# Altium PCB max268.PcbDoc
Units mil, origin at the board's own origin, x right, y up, seen from the top; angles counter-clockwise.
Board outline 2551 x 2023 mil, 2 copper layers (Top Layer, Bottom Layer); 80 components, 55 nets, 322 pads, 105 vias.
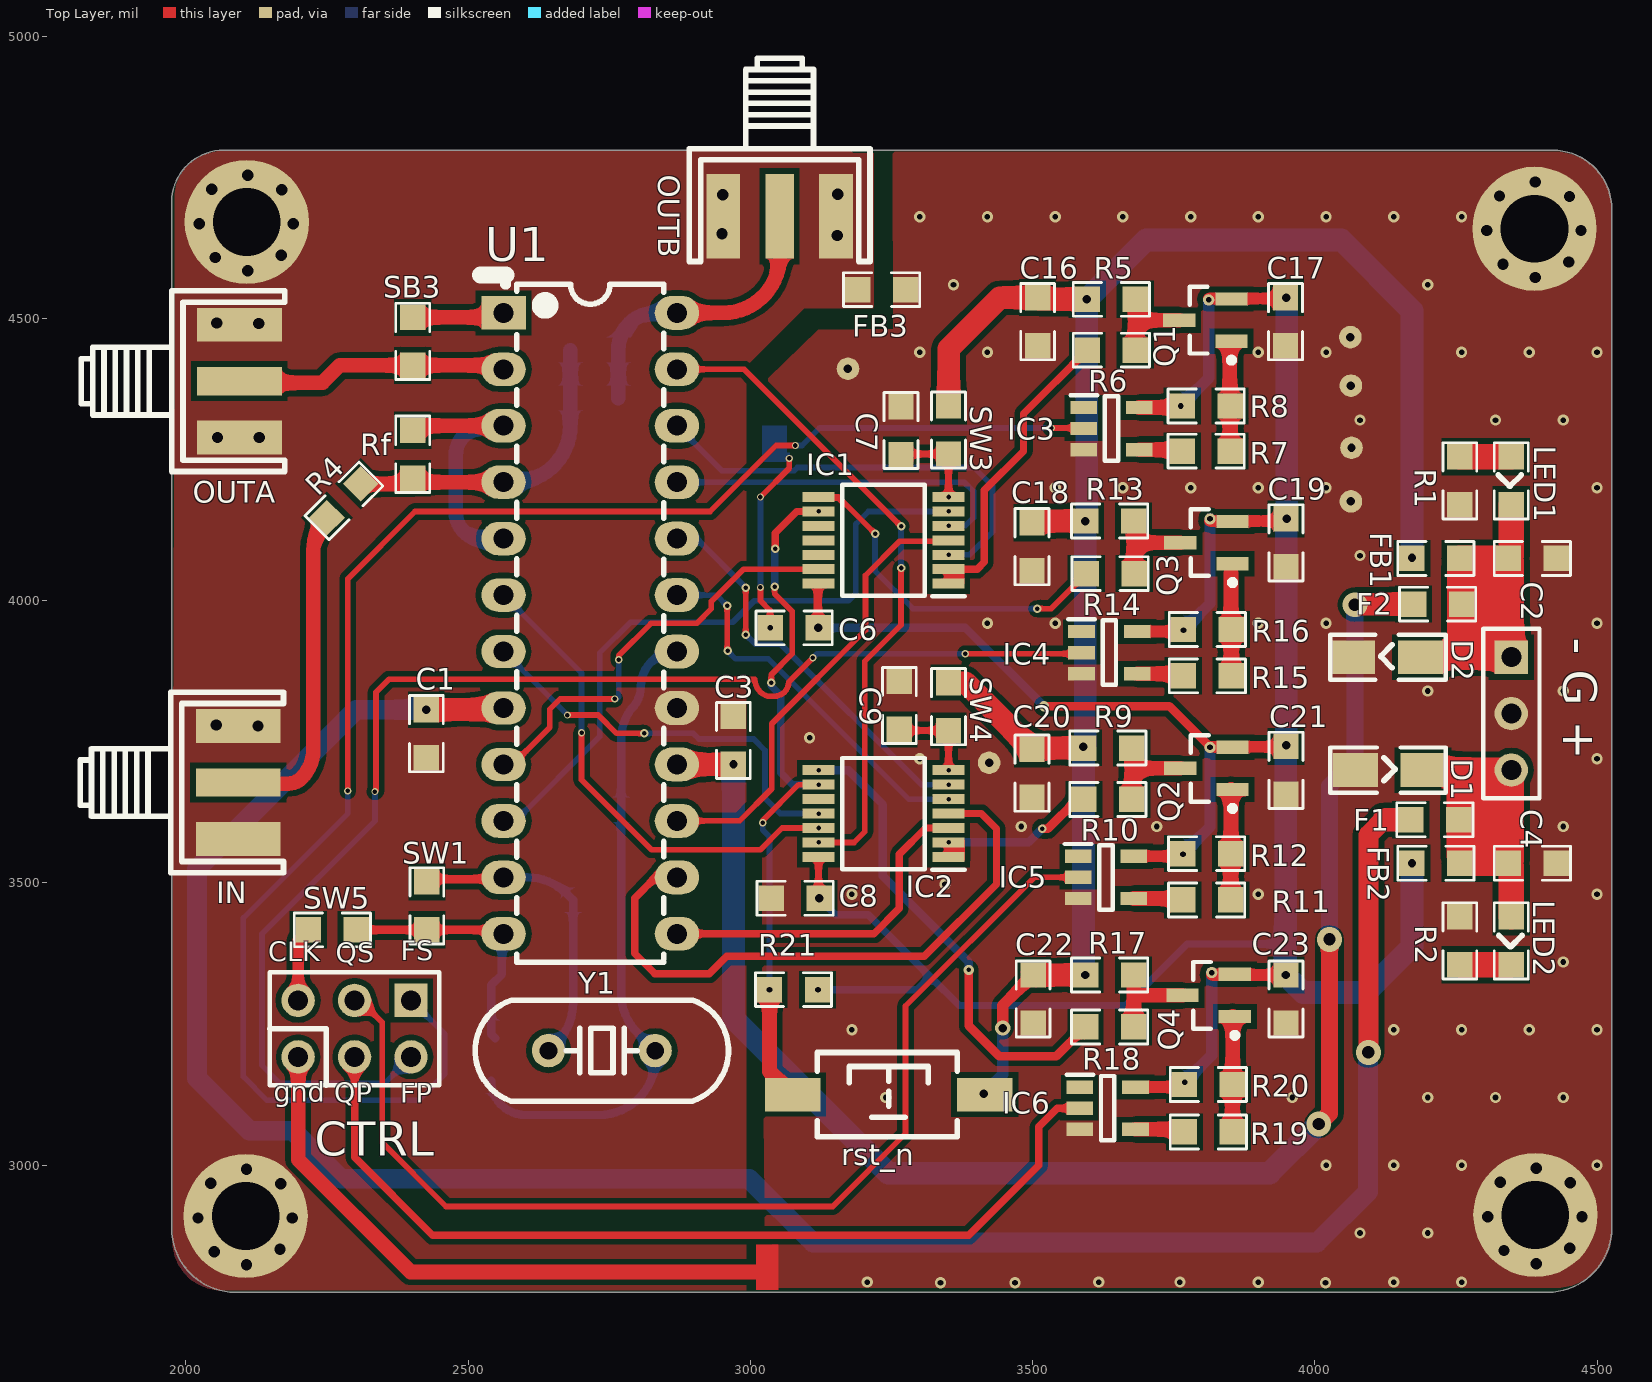
[diagram p0: Top Layer view]
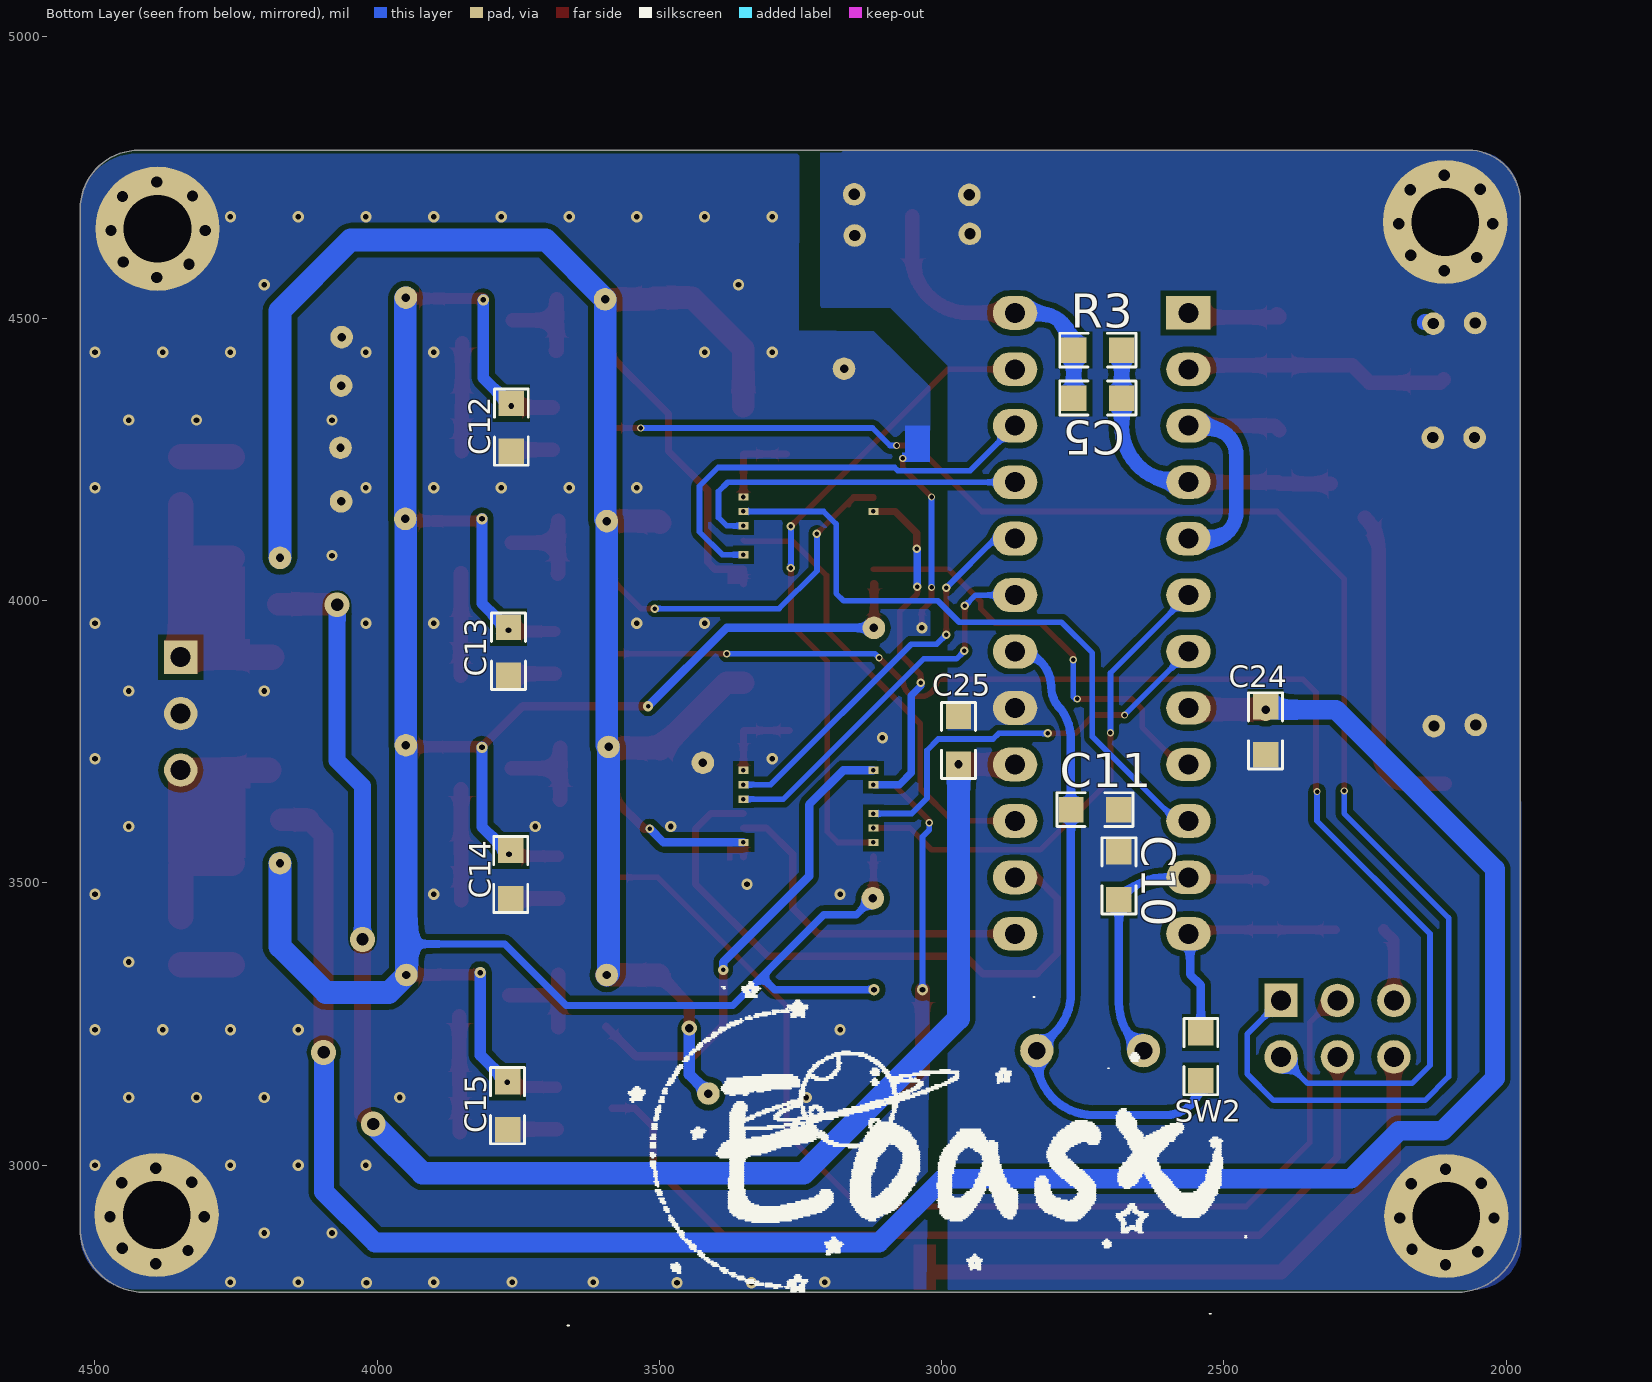
[diagram p1: Bottom Layer view, seen from below]

## Layer stack, top to bottom
Top Solder: solder mask 0.4, Solder Resist, Dk 3.5
Top Layer: signal copper 1.4
Dielectric 1: dielectric 12.6, FR-4, Dk 4.8
Bottom Layer: signal copper 1.4
Bottom Solder: solder mask 0.4, Solder Resist, Dk 3.5

## Board outline
2087.67,2775 cw(c2087.67,2887.67) 1975,2887.67 1975,4706.47 cw(c2066.53,4706.47) 2066.53,4798 4422.01,4798 cw(c4422.01,4694.01) 4526,4694.01 4526,2888.47 cw(c4412.53,2888.47) 4412.53,2775

## Design rules (kind name [scope] priority, off if disabled: settings)
Clearance [All] p1: gap=10 ignorepadtopadclearanceinfootprint=FALSE except(0: Arc-Hole Track-Hole SMDPad-Hole THPad-Hole Via-Via Via-Fill Via-Poly Via-Region Via-Text Via-Hole Fill-Hole Poly-Hole Region-Hole Text-Hole; 6: SMDPad-SMDPad)
PlaneConnect [All] p1: planeconnectstyle=Direct reliefexpansion=20 reliefentries=4 reliefconductorwidth=10 reliefairgap=10
PolygonConnect [All] p1: connectstyle=Direct reliefconductorwidth=10 reliefentries=4 polygonreliefangle="90 Angle" airgapwidth=10
RoutingVias [All] p1: holewidth=28 width=50 viastyle="Through Hole" minholewidth=2 minwidth=10 maxholewidth=28 maxwidth=50
SolderMaskExpansion [All] p1: expansion=4
Width [All] p1: maxlimit=50 minlimit=10 preferedwidth=10
29 further rules are at their usual default settings.

## Classes and differential pairs
component class MAX268: "- G +" C2 C3 C4 C5 C6 C7 C8 C9 C10 C11 C12 C13 C14 C15 C16 C17 C18 C19 C20 C21 C22 C23 D1 D2 F1 F2 FB1 FB2 FB3 IC1 IC2 IC3 IC4 IC5 IC6 IN LED1 LED2 OUTA OUTB Q1 Q2 Q3 Q4 R1 R2 R3 R5 R6 R7 R8 R9 R10 R11 R12 R13 R14 R15 R16 R17 R18 R19 R20 R21 rst_n SW3 SW4 Y1

## Components (designator, comment, footprint, x,y, rotation, side; value= is the part's Value field where it differs from the comment)
"- G +" "POWER" HDR1X3 4348,3900 r270 top (schematic designator P1)
C1 "0.1u" 0805D 2426,3727 r90 top
C2 "10u" 0805D 4348,4075 r0 top
C3 "0.1u" 0805D 2970,3790 r270 top
C4 "10u" 0805D 4348,3535 r0 top
C5 "2.5p" 0805D 2686,4359 r0 bottom
C6 "0.1u" 0805D 3115,3952 r180 top
C7 "0.1u" 0805D 3267,4264 r90 top
C8 "0.1u" 0805D 3117,3473 r180 top
C9 "0.1u" 0805D 3264,3777 r90 top
C10 "12p" 0805D 2686,3550 r270 bottom
C11 "12p" 0805D 2691,3630 r0 bottom
C12 "0.1u" 0805D 3762.4,4345 r270 bottom
C13 "0.1u" 0805D 3767.4,3948 r270 bottom
C14 "0.1u" 0805D 3763.4,3552.6 r270 bottom
C15 "0.1u" 0805D 3769,3143 r270 bottom
C16 "0.1u" 0805D 3509,4532 r270 top
C17 "0.1u" 0805D 3948,4532 r270 top
C18 "0.1u" 0805D 3499,4133.18 r270 top
C19 "0.1u" 0805D 3949,4140 r270 top
C20 "0.1u" 0805D 3499,3732 r270 top
C21 "0.1u" 0805D 3949,3737 r270 top
C22 "0.1u" 0805D 3501,3332 r270 top
C23 "0.1u" 0805D 3949,3332 r270 top
C24 "0.1u" 0805D 2426.19,3807 r270 bottom (schematic designator C6)
C25 "0.1u" 0805D 2970.19,3715 r90 bottom (schematic designator C6)
CTRL "Ctrl_FROM_MCU/FPGA" HDR2X3 2399,3292 r180 top (schematic designator P2)
D1 "DIODE" 1206A 4052,3700 r0 top
D2 "DIODE" 1206A 4207,3900 r180 top
F1 "Fuse 2" 0805D 4250,3612 r180 top
F2 "Fuse 2" 0805D 4180,3994 r0 top
FB1 "Inductor" 0805D 4177,4075 r0 top value=47uH
FB2 "Inductor" 0805D 4252,3535 r180 top value=47uH
FB3 "Inductor" 0805D 3270,4551 r180 top value=47uH
IC1 "MC74HC164ADTR2G" SOP65P640X120-14N 3236,4107 r180 top
IC2 "MC74HC164ADTR2G" SOP65P640X120-14N 3236,3623 r180 top
IC3 "SN74LV1T04DBVR" SOT95P280X145-5N 3640,4305 r0 top
IC4 "SN74LV1T04DBVR" SOT95P280X145-5N 3636,3908 r0 top
IC5 "SN74LV1T04DBVR" SOT95P280X145-5N 3630,3510 r0 top
IC6 "SN74LV1T04DBVR" SOT95P280X145-5N 3633,3101 r0 top
IN "SMA" SMA1 2093,3778 r0 top
LED1 "" 0805D 4348,4250 r270 top
LED2 "" 0805D 4348,3435 r270 top
OUTA "SMA" SMA1 2095,4489 r0 top
OUTB "SMA" SMA1 3152,4681 r270 top
Q1 "PNP" SOT-23B_M 3806,4497 r180 top
Q2 "PNP" SOT-23B_M 3808,3703 r180 top
Q3 "PNP" SOT-23B_M 3808,4103 r180 top
Q4 "PNP" SOT-23B_M 3812,3301 r180 top
R1 "Res3" 0805D 4257,4175 r90 top value=1k
R2 "Res3" 0805D 4257,3435 r270 top value=1k
R3 "Res3" 0805D 2761,4444 r180 bottom value=131k
R4 "Res3" 0805D 2306.57,4203.57 r225 top value=75k
R5 "Res3" 0805D 3602,4534 r0 top value=500
R6 "Res3" 0805D 3677,4444 r180 top value=500
R7 "Res3" 0805D 3845,4265 r180 top value=10k
R8 "Res3" 0805D 3845,4345 r180 top value=4.7k
R9 "Res3" 0805D 3595.79,3739 r0 top value=500
R10 "Res3" 0805D 3671,3648 r180 top value=500
R11 "Res3" 0805D 3846,3470 r180 top value=10k
R12 "Res3" 0805D 3846,3552 r180 top value=4.7k
R13 "Res3" 0805D 3599,4141.26 r0 top value=500
R14 "Res3" 0805D 3675,4048 r180 top value=500
R15 "Res3" 0805D 3847,3867 r180 top value=10k
R16 "Res3" 0805D 3847,3949 r180 top value=4.7k
R17 "Res3" 0805D 3599,3337 r0 top value=500
R18 "Res3" 0805D 3674,3245 r180 top value=500
R19 "Res3" 0805D 3849,3059 r180 top value=10k
R20 "Res3" 0805D 3849,3143 r180 top value=4.7k
R21 "Res3" 0805D 3114,3311 r180 top value=1k
Rf "Res3" 0805D 2402,4297 r270 top value=10k
rst_n "3x6x5" "TSW SMD-3*6*5" 3245,3125 r0 top
SB3 "Res3" 0805D 2402,4422 r90 top value=0
SW1 "Res3" 0805D 2427,3497 r270 top value=0
SW2 "Res3" 0805D 2541,3155 r90 bottom value=0
SW3 "Res3" 0805D 3351.16,4340 r270 top value=0
SW4 "Res3" 0805D 3351.16,3850 r270 top value=0
SW5 "Res3" 0805D 2297,3417 r180 top value=0
U1 "Comment" PDIP-24 2716.45,3960 r270 top
Y1 "XTAL" "XTAL-49S DIP" 2737,3203 r0 top

## Footprints (in the part's own frame and the unit in brackets; to place one, negate y for a bottom-side part, rotate by r counter-clockwise, add the part's x,y. Pads: shape width x height; smd on the part's side, far side on the other; paste and mask are expansions set on the pad)
0805D [mil]
  rect 45x45 smd: 1(-5,0) 2(80,0)
  silkscreen extent -30,-30 105,30
1206A [mil]
  rect 80x60 smd: 1(20,0) 2(140,0)
  silkscreen extent -25,-40 180,40
HDR1X3 [mm] "Connector; Header; 3 Position"
  rect 1.5x1.5 hole 0.9: 1(0,0)
  round 1.5 hole 0.9: 2(2.54,0) 3(5.08,0)
  silkscreen extent -1.27,-1.27 6.35,1.27
HDR2X3 [mm] "Connector; Header; 3x2 Position"
  rect 1.5x1.5 hole 0.9: 1(0,0)
  round 1.5 hole 0.9: 2(0,2.54) 3(2.54,0) 4(2.54,2.54) 5(5.08,0) 6(5.08,2.54)
  silkscreen extent -1.27,-1.27 6.35,3.81
PDIP-24 [mm]
  rect 1.5x2 hole 0.9: 1(-13.97,-3.9)
  oval 1.5x2 hole 0.9: 2(-11.43,-3.9) 3(-8.89,-3.9) 4(-6.35,-3.9) 5(-3.81,-3.9) 6(-1.27,-3.9) 7(1.27,-3.9) 8(3.81,-3.9) 9(6.35,-3.9) 11(11.43,-3.9)
  oval 1.524x2 hole 0.9: 10(8.89,-3.9) 12(13.97,-3.9) 13(13.97,3.9) 14(11.43,3.9) 15(8.89,3.9) 16(6.35,3.9) 17(3.81,3.9) 18(1.27,3.9) 19(-1.27,3.9) 20(-3.81,3.9) 21(-6.35,3.9) 22(-8.89,3.9) 23(-11.43,3.9) 24(-13.97,3.9)
  silkscreen extent -15.39,-3.93 15.25,3.3
SMA1 [mil]
  rect 150x50 smd: 1(0,-100)
  rect 150x60 smd: 2(0,-200) 2(0,0)
  silkscreen extent -280,-260 80,60
SOP65P640X120-14N [mm]
  rect 1.45x0.45 smd: 1(-2.925,1.95) 2(-2.925,1.3) 3(-2.925,0.65) 4(-2.925,0) 5(-2.925,-0.65) 6(-2.925,-1.3) 7(-2.925,-1.95) 8(2.925,-1.95) 9(2.925,-1.3) 10(2.925,-0.65) 11(2.925,0) 12(2.925,0.65) 13(2.925,1.3) 14(2.925,1.95)
  silkscreen extent -3.65,-2.5 1.85,2.52, body extent -3.2,-2.5 3.2,2.5, height 1.2
SOT95P280X145-5N [mm]
  rect 1.2x0.6 smd: 1(-1.25,0.95) 2(-1.25,0) 3(-1.25,-0.95) 4(1.25,-0.95) 5(1.25,0.95)
  silkscreen extent -1.85,-1.45 0.3,1.5, body extent -1.4,-1.45 1.4,1.45, height 1.2
SOT-23B_M [mm] "SOT23, 3-Leads, Body 2.9x1.3mm, Pitch 0.95mm, Lead Span 2.4mm, IPC Low Density"
  rect 1.45x0.6 smd: 1(-1.175,0.95) 2(-1.175,-0.95) 3(1.175,0)
  silkscreen extent -1.3,-1.5 0.7,1.92, body extent -0.7,-1.5 0.7,1.5, height 1.14
"TSW SMD-3*6*5" [mm] "3*6*5mm"
  rect 2.5x1.5 smd: 1(-4.318,0) 2(4.318,0)
  silkscreen extent -3.21,-1.9 3.09,1.9, body extent -4.6,-1.75 4.6,1.75, height 5.1
"XTAL-49S DIP" [mm]
  round 1.5 hole 0.8: 1(-2.4,0) 2(2.4,0)
  silkscreen extent -5.7,-2.28 5.7,2.28, body extent -5.68,-2.35 5.68,2.3, height 3.5

## Part data
"- G +": library part "Header 3", "Header, 3-Pin", LatestRevisionDate=17-Jul-2002, LatestRevisionNote="Re-released for DXP Platform.", Publisher="Altium Limited"
C1 C2 C3 C4 C5 C6 C7 C8 C9 C10 C11 C12 C13 C14 C15 C16 C17 C18 C19 C20 C21 C22 C23 C24 C25: library part CAP_T
CTRL: library part "Header 3X2", "Header, 3-Pin, Dual row", LatestRevisionDate=17-Jul-2002, LatestRevisionNote="Re-released for DXP Platform.", Publisher="Altium Limited"
F1 F2: "Fuse", LatestRevisionDate=17-Jul-2002, LatestRevisionNote="Re-released for DXP Platform.", PackageDescription="Thru-Hole; 2 Leads", PackageReference=PIN-W2/E2.8, Published=8-Jun-2000, Publisher="Altium Limited"
IC1 IC2: "Integrated Circuit", Manufacturer_Name="ON Semiconductor", Mouser Part Number=863-MC74HC164ADTR2G, Arrow Part Number=MC74HC164ADTR2G, Arrow Price/Stock=https://www.arrow.com/en/products/mc74hc164adtr2g/on-semiconductor, Datasheet Link=http://www.onsemi.com/pub/Collateral/MC74HC164A-D.PDF, Height=1.2mm, Manufacturer_Part_Number=MC74HC164ADTR2G, Mouser Price/Stock=https://www.mouser.co.uk/ProductDetail/ON-Semiconductor/MC74HC164ADTR2G?qs=qg33o%252B8vzFo2YIOUdQuHFw%3D%3D
IC3 IC4 IC5 IC6: "Integrated Circuit", Manufacturer_Name="Texas Instruments", Mouser Part Number=595-SN74LV1T04DBVR, Arrow Part Number=SN74LV1T04DBVR, Arrow Price/Stock=https://www.arrow.com/en/products/sn74lv1t04dbvr/texas-instruments, Datasheet Link=http://www.ti.com/lit/gpn/sn74lv1t04, Height=1.45mm, Manufacturer_Part_Number=SN74LV1T04DBVR, Mouser Price/Stock=https://www.mouser.co.uk/ProductDetail/Texas-Instruments/SN74LV1T04DBVR?qs=igp4D3uu33KtAfuFlk2jSg%3D%3D
IN OUTA OUTB: library part BNC, "BNC Elbow Connector", LatestRevisionDate=17-Jul-2002, LatestRevisionNote="Re-released for DXP Platform.", Publisher="Altium Limited"
LED1 LED2: library part LED-SMD, "贴片LED"
Q1 Q2 Q3 Q4: "PNP Bipolar Transistor", LatestRevisionDate=29-May-2009, LatestRevisionNote="IPC-7351 Footprint Added.", PackageDescription="3-Pin SOT-23 Package 0.95 mm Pitch, 2.4 mm Lead Span", PackageReference=SOT-23B, PackageVersion=Aug-1999, Published=8-Jun-2000, Publisher="Altium Limited"
R1 R2 R3 R4 R5 R6 R7 R8 R9 R10 R11 R12 R13 R14 R15 R16 R17 R18 R19 R20 R21 Rf SB3 SW1 SW2 SW3 SW4 SW5: "Resistor", LatestRevisionDate=29-May-2009, LatestRevisionNote="IPC-7351 Footprint Added.", PackageDescription="Chip Resistor", PackageReference=J1-0603, Published=8-Jun-2000, Publisher="Altium Limited"
rst_n: library part "TSW 3x6", "3x6轻触开关"
Y1: "Crystal Oscillator", LatestRevisionDate=17-Jul-2002, LatestRevisionNote="Re-released for DXP Platform.", PackageDescription="Crystal, Thru-Hole; 2 Leads; Body 3.1 x 8.2 mm (Dia.xH)", PackageReference=R38, Published=8-Jun-2000, Publisher="Altium Limited"
FB1 FB2 FB3: Code_IEC=1005, Code_JEITA=0402, LatestRevisionDate=29-May-2009, LatestRevisionNote="IPC-7351 Footprint Added.", PackageDescription="Chip Inductor", PackageReference=0402-A, Published=8-Jun-2000, Publisher="Altium Limited"

## Free pads (board coordinates)
  round 220 hole 120: 0(2106,2910) 0(2108,4671) 0(4389,4659) 0(4390.67,2912)
  round 40 hole 20: 8(2021.67,2906.72) 8(2023.67,4667.72) 8(2044,2968) 8(2046,4729) 8(2050.31,2847) 8(2052.31,4608) 8(2054,3780) 8(2055,4492) 8(2056,4289) 8(2107.67,2823.72) 8(2107.67,2992.72) 8(2109.67,4584.72) 8(2109.67,4753.72) 8(2128,3778) 8(2129,4491) 8(2130,4289) 8(2167,2851) 8(2168,2967) 8(2169,4612) 8(2170,4728) 8(2188.56,2906.72) 8(2190.56,4667.72) 8(2950,4650) 8(2951,4719) 8(3154,4647) 8(3155,4720) 8(4304.67,4655.72) 8(4306.34,2908.72) 8(4327,4717) 8(4328.67,2970) 8(4333.31,4596) 8(4334.98,2849) 8(4390.67,4572.72) 8(4390.67,4741.72) 8(4392.34,2825.72) 8(4392.34,2994.72) 8(4450,4600) 8(4451,4716) 8(4451.67,2853) 8(4452.67,2969) 8(4471.56,4655.72) 8(4473.23,2908.72)
  round 40 hole 15: 9(2426.19,3807) 9(2970.19,3710) 9(3120,3952) 9(3122,3473) 9(3173,4411) 9(3413.19,3127) 9(3423,3713) 9(3590.19,3741) 9(3593.19,3337) 9(3593.19,4141) 9(3596.19,4534) 9(3948.19,3337) 9(3949.19,3744) 9(3949.19,4537) 9(3950.19,4145) 9(4063,4467) 9(4064,4176) 9(4064,4381) 9(4065,4271) 9(4172.19,3535) 9(4172.19,4076)
  round 20 hole 10: 9(3034,3311) 9(3035,3952) 9(3120,3311) 9(3762.4,4345) 9(3766.4,3551) 9(3767.4,3948) 9(3769.4,3147) 9(3812,4533) 9(3814.4,3740.26) 9(3814.4,4145) 9(3817.4,3341.26)
  rect 18x13 hole 8: 9(3120.84,3571.82) 9(3120.84,3597.41) 9(3120.84,3623) 9(3120.84,3674.18) 9(3120.84,3699.77) 9(3120.84,4158.18) 9(3351.16,3571.82) 9(3351.16,3648.59) 9(3351.16,3674.18) 9(3351.16,3699.77) 9(3351.16,4081.41) 9(3351.16,4132.59) 9(3351.16,4158.18) 9(3351.16,4183.77)

## Via types
v1: diameter 20, hole 10, Top Layer to Bottom Layer, 71 vias
v2: diameter 13, hole 8, Top Layer to Bottom Layer, 14 vias
v3: diameter 15, hole 8, Top Layer to Bottom Layer, 13 vias
v4: diameter 44, hole 22, Top Layer to Bottom Layer, 4 vias
v5: diameter 18, hole 8, Top Layer to Bottom Layer, 2 vias
v6: diameter 27, hole 15, Top Layer to Bottom Layer, 1 vias

## Nets (pads, with @x,y where several pads share a name; then routed paths per layer and width w, separated by ;. In a path a pad name is that pad's centre, name@x,y a point inside that pad or via, vN(x,y) a via of type N, cw(c..) or ccw(c..) an arc to the next point about the centre after c; other vN are vias at no path point)
+5: "- G +.3" C4.1 D1.2 F1.1 FB2.1 LED2.1 | length 506.1
  Top Layer w45: D1.2 4348,3700 4348,3540 C4.1 ; FB2.1 C4.1 ; LED2.1 4348,3530 C4.1
-5: "- G +.1" C2.1 D2.1 F2.2 FB1.2 LED1.2 | length 521.1
  Top Layer w45: D2.1 4348,3900 4348,4070 C2.1 ; FB1.2 C2.1 ; LED1.2 4348,4080 C2.1
-VCC: C16.1 C18.1 C20.1 C22.1 FB1.1 pad.9@3413.19,3127 pad.9@3590.19,3741 pad.9@3593.19,3337 pad.9@3593.19,4141 pad.9@3596.19,4534 pad.9@4172.19,4076 R5.1 R9.1 R13.1 R17.1 rst_n.2 SW3.1 SW4.1 | length 3420.7
  Top Layer w20: v6(3447,3243) 3447,3283 C22.1
  Top Layer w40: SW4.1 3381,3855 C20.1 3501,3739 R9.1 ; SW3.1 3351.16,4446.16 3442,4537 C16.1 3512,4534 3596.19,4534 R5.1 ; C18.1 3502.08,4141.26 R13.1 ; C22.1 3593.19,3337 R17.1
  Bottom Layer w20: pad.9@3413.19,3127 3447,3160.81 v6(3447,3243)
  Bottom Layer w40: pad.9@3593.19,3337 3590.19,3340 3590.19,3741 3593.19,3744 3593.19,4141 3596.19,4144 3596.19,4534 3701.19,4639 4047,4639 4172.19,4513.81 pad.9@4172.19,4076
clk: SW1.2 SW2.2 SW5.1 U1.12 | length 456.7
  Top Layer w15: SW5.1 SW1.2 U1.12@2562.91,3417
  Bottom Layer w15: SW2.2@2548,3225.28 2541,3232.28 SW2.2 2541,3319 2560,3338 U1.12@2560,3410.28
clk_MCU/FPGA: CTRL.5 SW5.2 | length 132.5
  Top Layer w20: CTRL.5 2199,3399 SW5.2
DGND: "- G +.2" C2.2 C4.2 C6.2 C7.2 C8.2 C9.2 C12.2 C13.2 C14.2 C15.2 C16.2 C17.2 C18.2 C19.2 C20.2 C21.2 C22.2 C23.2 CTRL.6 D1.1 D2.2 FB3.1 IC3.3 IC4.3 IC5.3 IC6.3 pad.0@4389,4659 pad.0@4390.67,2912 pad.8@4304.67,4655.72 pad.8@4306.34,2908.72 pad.8@4327,4717 pad.8@4328.67,2970 pad.8@4333.31,4596 pad.8@4334.98,2849 pad.8@4390.67,4572.72 pad.8@4390.67,4741.72 pad.8@4392.34,2825.72 pad.8@4392.34,2994.72 pad.8@4450,4600 pad.8@4451,4716 pad.8@4451.67,2853 pad.8@4452.67,2969 pad.8@4471.56,4655.72 pad.8@4473.23,2908.72 pad.9@3035,3952 pad.9@3173,4411 pad.9@3423,3713 pad.9@4063,4467 pad.9@4064,4176 pad.9@4064,4381 pad.9@4065,4271 R1.1 R2.1 | length 1411.7
  Top Layer w10: v2(3018,4023.55) 3018,4000 3035,3983 C6.2 ; v2(3018,4183.77) 3069,4234.77 v2(3069,4252)
  Top Layer w26: CTRL.6 2199,3010 2398,2811 3016,2811
  Bottom Layer w10: v2(3018,4023.55) v2(3018,4183.77) ; v2(3069,4252) v2@3070.5,4253.5
  other v1: 3337,2791.94 3469,2791.94 4019,2792 3207,2793 3617,2793 3761,2793 3900,2792.76 4140,2793 4260,2793 4080,2880 4200,2880 4020,3000 4140,3000 4260,3000 4500,3000 3240,3120 3960,3120 4200,3120 4320,3120 4440,3120 3180,3240 4140,3240 4260,3240 4380,3240 4500,3240 4440,3360 3180,3480 3900,3480 4500,3480 3345,3498 3480,3600 3720,3600 4440,3600 3300,3720 4500,3720 3105,3757.37 4200,3840 4440,3840 3420,3960 3540,3960 3900,3960 4020,3960 4500,3960 4080,4080 3540,4200 3660,4200 3780,4200 3900,4200 4020,4200 4500,4200 4080,4320 4320,4320 4440,4320 3300,4440 3420,4440 3900,4440 4020,4440 4260,4440 4380,4440 4500,4440 3360,4560 4200,4560 3300,4680 3420,4680 3540,4680 3660,4680 3780,4680 3900,4680 4020,4680 4140,4680 4260,4680
EST_N: IC1.9 IC2.9 pad.9@3034,3311 pad.9@3120.84,3674.18 pad.9@3120.84,4158.18 R21.2 rst_n.1 | length 1261.6
  Top Layer w10: v2(3022,3607) 3022,3610.82 3085.36,3674.18 IC2.9 ; v3(3037,3855) 3037,3869 3074,3906 3074,3981.33 3043,4012.33 v3(3043,4025)
  Top Layer w13: v3(3044,4092) 3044,4120 3082.18,4158.18 IC1.9
  Top Layer w26: R21.2 3034,3166 rst_n.1
  Bottom Layer w10: v2(3022,3607) 3022,3594 3034,3582 pad.9@3034,3311
  Bottom Layer w13: v3(3037,3855) 3037,3849 3054,3832 3054,3695 3074.82,3674.18 pad.9@3120.84,3674.18 ; v3(3043,4025) 3043,4091 v3(3044,4092)
F0: IC1.3 pad.9@3351.16,4081.41 U1.22 | length 783.5
  Bottom Layer w10: U1.22 2949.5,4230.5 3077.91,4230.5 3083.41,4236 3396,4236 3429,4203 3429,4122 3388.41,4081.41 pad.9@3351.16,4081.41
F1: IC1.4 U1.15 | length 811.2
  Top Layer w10: U1.15 2981,3610 3038,3667 3038,3782 3204,3948 3204,4045 3264.27,4105.27 3349.43,4105.27 IC1.4
F2: IC1.5 pad.9@3351.16,4132.59 U1.21 | length 628.7
  Bottom Layer w10: U1.21 3379,4210 3395.3,4193.7 3395.3,4147.3 3380.59,4132.59 pad.9@3351.16,4132.59
F3: IC1.6 pad.9@3351.16,4158.18 U1.10 | length 1174.2
  Bottom Layer w10: U1.10 2584,3610 2733,3759 2733,3907.29 2787.71,3962 2969,3962 3007,4000 3174,4000 3187,4013 3187,4136 3209.18,4158.18 pad.9@3351.16,4158.18
F4: IC1.13 U1.9 | length 750.5
  Top Layer w10: U1.9@2588,3710 2588,3719 2645,3776 2645,3808 2663,3826 v2(2760,3826) ; v2(2767,3895.19) 2767,3903 2824,3960 2905,3960 2931,3986 2931,3999 2987.82,4055.82 IC1.13
  Bottom Layer w10: v2(2760,3826) 2763,3826 2767,3830 v2(2767,3895.19)
F_PULSE: IC1.8 R14.2 | length 672
  Top Layer w10: 3164.39,4170.61 3164.39,4173.25 3155.6,4182.04 3120.84,4182.04 IC1.8 3156.23,4183.77 v3(3221,4119) ; v3(3508,3986) 3533,3986 R14.2
  Bottom Layer w10: v3(3221,4119) 3221,4053 3288,3986 v3(3508,3986)
F_PULSE_IN: CTRL.2 IC4.2 | length 2354.1
  Top Layer w10: v2(2335,3662) 2337,3664 2337,3838 2360,3861 3008,3861 ccw(c3039,3861) 3030.94,3831.07 3043.07,3831.07 ccw(c3043.07,3856) 3068,3856 v2(3111,3899) ; v2(3381,3906) 3584.79,3906 IC4.2
  Bottom Layer w10: v2(2335,3662) 2335,3610 2135,3410 2135,3177 2167,3145 2352,3145 CTRL.2 ; v2(3111,3899) 3118,3906 v2(3381,3906)
F_SET: IC1.1 IC1.2 R6.2 | length 545.3
  Top Layer w13: IC1.1 IC1.2 3401.82,4055.82 3414.5,4068.5 3414.5,4195.5 3484,4265 3484,4331 R6.2
F_SET_IN: CTRL.1 IC3.2 | length 2922.1
  Top Layer w10: v2(2287,3663) 2287,4039 2406,4158 2928.8,4158 3045.8,4275 v2(3080,4275) ; v2(3533,4306) 3589.79,4306 IC3.2
  Bottom Layer w10: v2(2287,3663) 2287,3623 2102,3438 2102,3157 2144,3115 2412,3115 2459,3162 2459,3232 CTRL.1 ; v2(3080,4275) 3091.54,4275 3122.54,4306 v2(3533,4306)
GND: C1.1 C3.1 C10.1 C11.1 C24.2 C25.2 FB3.2 IN.2 OUTA.2 OUTB.2 pad.0@2106,2910 pad.0@2108,4671 pad.8@2021.67,2906.72 pad.8@2023.67,4667.72 pad.8@2044,2968 pad.8@2046,4729 pad.8@2050.31,2847 pad.8@2052.31,4608 pad.8@2054,3780 pad.8@2055,4492 pad.8@2056,4289 pad.8@2107.67,2823.72 pad.8@2107.67,2992.72 pad.8@2109.67,4584.72 pad.8@2109.67,4753.72 pad.8@2128,3778 pad.8@2129,4491 pad.8@2130,4289 pad.8@2167,2851 pad.8@2168,2967 pad.8@2169,4612 pad.8@2170,4728 pad.8@2188.56,2906.72 pad.8@2190.56,4667.72 pad.8@2950,4650 pad.8@2951,4719 pad.8@3154,4647 pad.8@3155,4720 U1.17 | length 3.1
  Bottom Layer w26: pad.8@2143,4495 cw(c2143,4493) pad.8@2145,4493
INA: Rf.1 U1.3 U1.5 | length 495.6
  Top Layer w26: Rf.1 2410,4310 U1.3
  Bottom Layer w26: 2523,4306.9 U1.3@2528,4306.9 ; U1.5@2562.91,4106.9 2529.21,4106.9 cw(c2529.21,4158.12) 2478,4158.12 2478,4256.9 cw(c2528,4256.9) U1.3@2528,4306.9 ; U1.3@2562.91,4306.9 U1.3@2528,4306.9
NetC1_2: C1.2 C24.1 F1.2 pad.9@2426.19,3807 U1.8 | length 3981.3
  Top Layer w35: v4(4095,3200) 4095,3585 4122,3612
  Top Layer w40: C1.2 2426.19,3807 U1.8@2562.91,3807 ; 4122,3612 F1.2
  Bottom Layer w35: pad.9@2426.19,3807 2302,3807 2020,3525 2020,3154 2113,3061 2189.72,3061 2274.72,2976 2998,2976 3111,2863 4004,2863 4094,2953 v4@4094,3199
  Bottom Layer w40: v4@4094,3199 v4(4095,3200)
NetC3_2: C3.2 C25.1 F2.1 pad.9@2970.19,3710 U1.16 | length 2787.4
  Top Layer w30: v4(4007,3073) 4026,3092 v4(4026,3400)
  Top Layer w40: U1.16 C3.2 ; v4(4071,3993) 4072,3994 F2.1
  Bottom Layer w30: v4(4026,3400) 4026,3672 4071,3717 v4(4071,3993)
  Bottom Layer w40: C25.1 2970.19,3259.81 3244,2986 3920,2986 v4(4007,3073)
NetC5_1: C5.1 R3.2 R4.1 Rf.2 U1.4 | length 562.8
  Top Layer w26: R4.1@2311,4207 2402,4207 cw(c2405,4207) 2405,4210 U1.4
  Bottom Layer w26: U1.4 2581,4210 ccw(c2581,4310) 2681,4310 C5.1 R3.2
NetC5_2: C5.2 OUTB.1 R3.1 U1.24 | length 536.8
  Top Layer w26: U1.24 2952,4510 ccw(c2952,4610) 3052,4610 OUTB.1
  Bottom Layer w26: C5.2 R3.1 cw(c2832,4444) 2832,4510 U1.24
NetC7_1: C7.1 IC1.7 pad.9@3351.16,4183.77 SW3.2 | length 152.4
  Top Layer w13: C7.1@3275,4260 SW3.2 IC1.7
NetC9_1: C9.1 IC2.7 pad.9@3351.16,3699.77 SW4.2 | length 151.4
  Top Layer w13: C9.1@3270,3770 SW4.2 IC2.7
NetC10_2: C10.2 SW1.1 U1.11 Y1.1 | length 553.3
  Top Layer w15: SW1.1 cw(c2439.07,3489.93) 2439.07,3507 U1.11@2562.91,3507
  Bottom Layer w15: U1.11 2604.58,3510 cw(c2604.58,3410) 2675.29,3480.71 C10.2 2686,3287.91 cw(c2586,3287.91) 2656.71,3217.2 Y1.1
NetC11_2: C11.2 SW2.1 U1.18 Y1.2 | length 1169.7
  Bottom Layer w15: SW2.1 ccw(c2602,3150) 2602,3089 2731.49,3089 ccw(c2731.49,3189) 2831.49,3189 Y1.2 2800.29,3234.2 cw(c2871,3304.91) 2771,3304.91 C11.2 2771,3753.82 cw(c2863.18,3753.82) 2787.79,3806.85 2790.02,3809.08 ccw(c2751.42,3847.67) 2797.63,3818.62 ccw(c2751.42,3847.67) 2806,3847.67 cw(c2867.14,3847.67) 2823.91,3890.91 cw(c2870,3844.82) U1.18
NetIC3_4: IC3.4 R7.2 | length 77.3
  Top Layer w26: IC3.4 3762.4,4267.6 cw(c3762.4,4265) R7.2
NetIC4_4: IC4.4 R15.2 | length 83.3
  Top Layer w26: IC4.4 3763.4,3870.6 R15.2
NetIC5_4: IC5.4 R11.2 | length 87.9
  Top Layer w26: IC5.4 3763.4,3472.6 R11.2
NetIC6_4: IC6.4 R19.2 | length 88.7
  Top Layer w26: IC6.4 3764.4,3063.6 R19.2
NetIN_1: IN.1 R4.2 | length 571.7
  Top Layer w26: IN.1@2109,3676 2180.86,3676 ccw(c2180.86,3710.14) 2205,3686 ccw(c2154.3,3736.7) 2226,3736.7 2226,4089.06 cw(c2307.94,4089.06) R4.2
NetLED1_1: LED1.1 R1.2 | length 91
  Top Layer w45: R1.2 LED1.1
NetLED2_1: LED2.2 R2.2 | length 91
  Top Layer w45: R2.2 LED2.2
NetOUTA_1: OUTA.1 SB3.1 U1.2 | length 470.5
  Top Layer w26: OUTA.1@2110.67,4392 2116.67,4386 2242,4386 2273,4417 SB3.1 2555.91,4417 U1.2
NetQ1_1: Q1.3 R5.2 R6.1 | length 172.2
  Top Layer w26: R5.2 3682,4497 ; Q1.3 3682,4497 ; R6.1 ccw(c3683.26,4444) 3683.26,4442.74 3682,4442.74 R6.1 ; R6.1 3682,4497
NetQ1_2: Q1.1 R7.1 R8.1 | length 191.6
  Top Layer w26: Q1.1@3849.4,4456 3849.4,4345 R8.1 R7.1
NetQ2_1: Q2.3 R9.2 R10.1 | length 177
  Top Layer w26: R9.2 3675.79,3703 ; R10.1 3675.79,3648.21 3675.79,3703 ; Q2.3 3675.79,3703
NetQ2_2: Q2.1 R11.1 R12.1 | length 195.8
  Top Layer w26: R11.1 R12.1 3851.4,3552.4 Q2.1@3851.4,3665.6
NetQ3_1: Q3.3 R13.2 R14.1 | length 176.4
  Top Layer w26: R13.2 3679,4103 ; R14.1 3679,4049 3679,4103 ; Q3.3 3679,4103
NetQ3_2: Q3.1 R15.1 R16.1 | length 182
  Top Layer w26: 3851.4,4048.74 3851.4,3949.6 R16.1 R15.1
NetQ4_1: Q4.3 R17.2 R18.1 | length 179.2
  Top Layer w26: R18.1 3679,3302 ; R17.2 3679,3302 ; Q4.3 3680,3301 3679,3302
NetQ4_2: Q4.1 R19.1 R20.1 | length 204.8
  Top Layer w26: R19.1 R20.1 3854.4,3143.4 Q4.1@3854.4,3263.6
NetSB3_2: SB3.2 U1.1 | length 172.1
  Top Layer w26: SB3.2@2407,4507 ccw(c2407,4502) SB3.2 2554.91,4502 U1.1
Q0: IC2.3 U1.13 | length 615
  Top Layer w13: U1.13 3219,3410 3264,3455 3264,3551 3310.41,3597.41 IC2.3
Q1: IC2.4 U1.14 | length 1104.1
  Top Layer w13: U1.14 2832,3510 2795,3473 2795,3375 2831,3339 2927,3339 2958,3370 3308,3370 3436,3498 3436,3596 3409,3623 IC2.4
Q2: IC2.5 pad.9@3351.16,3648.59 U1.19 | length 677.1
  Top Layer w10: v3(2959,3991) 2959,3912 v3(2960,3911)
  Bottom Layer w10: U1.19 2940,4010 v3(2959,3991) ; v3(2960,3911) 2974,3897 3032,3897 3280.41,3648.59 pad.9@3351.16,3648.59
Q3: IC2.6 pad.9@3351.16,3674.18 U1.20 | length 710.3
  Top Layer w10: v3(2992,3940) v3(2992,4023)
  Bottom Layer w10: U1.20 2905,4110 v3(2992,4023) ; v3(2992,3940) 3009,3923 3054,3923 3302.82,3674.18 pad.9@3351.16,3674.18
Q4: IC2.13 pad.9@3120.84,3571.82 U1.23 | length 1169.8
  Top Layer w10: U1.23 2989,4410 v3(3267,4132) ; IC2.13 3183.82,3571.82 3203,3591 3203,3893 3267,3957 v3(3267,4058)
  Bottom Layer w10: v3(3267,4058) v3(3267,4132)
Q5: IC2.12 pad.9@3120.84,3597.41 U1.6 | length 871.3
  Top Layer w10: v2(2701,3766) 2701,3683 2825,3559 3018,3559 3056.41,3597.41 IC2.12
  Bottom Layer w10: U1.6 2701,3871.91 v2(2701,3766)
Q6: IC2.11 pad.9@3120.84,3623 U1.7 | length 726.6
  Top Layer w10: v2(2676,3797.5) 2730.5,3797.5 2763,3765 v3(2812,3765)
  Bottom Layer w10: U1.7 2563.5,3910 v2(2676,3797.5) ; v3(2812,3765) 2899,3765 2909,3755 3006,3755 3026,3735 3026,3650 3053,3623 pad.9@3120.84,3623
Q_PULSE: IC2.8 pad.9@3120.84,3699.77 R18.2 | length 845.2
  Top Layer w15: v5(3387,3346) 3387,3247 3441,3193 3542,3193 R18.2
  Bottom Layer w15: pad.9@3120.84,3699.77 3174.23,3699.77 3235,3639 3235,3512 3387,3360 v5(3387,3346)
Q_PULSE_IN: CTRL.4 IC6.2 | length 1653
  Top Layer w13: CTRL.4 2299,3014 2437,2876 3387,2876 3511,3000 3511,3068 3544,3101 IC6.2
Q_SET: IC2.1 IC2.2 pad.9@3351.16,3571.82 R10.2 | length 297
  Top Layer w13: IC2.1 IC2.2
  Top Layer w15: v3(3517,3596) 3527,3596 3579,3648 R10.2
  Bottom Layer w15: pad.9@3351.16,3571.82 3492.82,3571.82 v3(3517,3596)
Q_SET_IN: CTRL.3 IC5.2 | length 1931.6
  Top Layer w10: CTRL.3@2309,3292 2348,3253 2348,3040 2461,2927 3146,2927 3275,3056 3275,3282 3503,3510 IC5.2
  Top Layer w20: CTRL.3 CTRL.3@2309,3292
VCC: C6.1 C8.1 C12.1 C13.1 C14.1 C15.1 C17.1 C19.1 C21.1 C23.1 FB2.2 IC1.14 IC2.14 IC3.5 IC4.5 IC5.5 IC6.5 pad.9@3120,3311 pad.9@3120,3952 pad.9@3122,3473 pad.9@3762.4,4345 pad.9@3766.4,3551 pad.9@3767.4,3948 pad.9@3769.4,3147 pad.9@3812,4533 pad.9@3814.4,3740.26 pad.9@3814.4,4145 pad.9@3817.4,3341.26 pad.9@3948.19,3337 pad.9@3949.19,3744 pad.9@3949.19,4537 pad.9@3950.19,4145 pad.9@4172.19,3535 Q1.2 Q2.2 Q3.2 Q4.2 R8.2 R12.2 R16.2 R20.2 R21.1 | length 5518.5
  Top Layer w13: C6.1@3119.84,3952.16 C6.1 3120,4029.39 IC1.14 ; IC2.14 3120.84,3474.16 C8.1
  Top Layer w15: C6.1@3119.84,3952.16 IC1.14@3119.84,4029 ; v5(3520,3813) 3742.26,3813 pad.9@3814,3741.26
  Top Layer w20: IC5.5 3761.4,3547.4 R12.2 ; IC6.5 3764.4,3138.4 R20.2 ; IC4.5 3763.4,3945.4 R16.2 ; pad.9@3812,4535.26 3946.26,4535.26 C17.1 ; pad.9@3814,3741.26 3948.26,3741.26 C21.1 ; pad.9@3814,4141.26 3945.26,4141.26 C19.1 ; pad.9@3817,3337.26 3948.74,3337.26 C23.1
  Top Layer w26: IC3.5 3762.4,4342.4 ccw(c3762.4,4345) R8.2
  Bottom Layer w13: pad.9@3122,3313 3120,3311 3296,3311 3319,3334 ; pad.9@3122,3473 3151,3444 3209,3444 3319,3334 ; 3948.19,3392 3774,3392 3665,3283 3370,3283 3319,3334
  Bottom Layer w15: pad.9@3120,3952 3381,3952 v5(3520,3813)
  Bottom Layer w20: pad.9@3762.4,4345 3812,4394.6 pad.9@3812,4533 ; pad.9@3766.4,3551 3814.4,3599 pad.9@3814.4,3740.26 ; pad.9@3767.4,3948 3814.4,3995 pad.9@3814.4,4145 ; pad.9@3769.4,3147 3817.4,3195 pad.9@3817.4,3341.26
  Bottom Layer w40: pad.9@3949.19,4537 3950.19,4536 3950.19,4145 3949.19,4144 3949.19,3744 3948.19,3743 3948.19,3392 3948.19,3337 3979.19,3306 4091,3306 4172.19,3387.19 pad.9@4172.19,3535
pads on no net: IC1.10 IC1.11 IC1.12 IC2.10 IC3.1 IC4.1 IC5.1 IC6.1

## Polygon pours and split planes (outlines as drawn)
DGND on Top Layer "Top Layer-DGND" (solid, remove dead copper, pour order 12): 3252,4795 4426,4795 cw(c4426,4695) 4526,4695 4526,2883 cw(c4426,2883) 4426,2783 3027,2783 3021,3381 3020,4382 3120,4480 3253,4482
GND on Top Layer "Top Layer-GND" (solid, remove dead copper, pour order 18): 1980,4461.94 1980,4712.94 cw(c2063,4712.94) 2063,4795.94 3179,4795.94 3182,4792.94 3219,4792.94 3219,4518.94 3218,4517.94 3217.53,4518.41 3095.47,4518.41 2993,4415.94 2993,2779.94 2994,2778.94 2063,2778.94 cw(c2063,2864.94) 1977,2864.94 1977,3479.94
no net on Top Layer "Top Layer-No Net 1" (solid, remove dead copper, pour order 10): 3247,4598
no net on Top Layer "Top Layer-No Net" (solid, remove dead copper, pour order 8): 1862,4905
DGND on Bottom Layer "DGND_L02_P014" (solid, remove dead copper, pour order 14): 3252,4792 4426,4792 cw(c4426,4692) 4526,4692 4526,2880 cw(c4426,2880) 4426,2780 3027,2780 3021,3378 3020,4379 3120,4477 3253,4479
GND on Bottom Layer "Bottom Layer-GND" (solid, remove dead copper, pour order 16): 1975.87,4462.6 1975.87,4713.6 cw(c2058.87,4713.6) 2058.87,4796.6 3174.87,4796.6 3177.87,4793.6 3214.87,4793.6 3214.87,4519.6 3213.87,4518.6 3213.4,4519.06 3091.34,4519.06 2988.87,4416.6 2988.87,2780.6 2989.87,2779.6 2058.87,2779.6 cw(c2058.87,2865.6) 1972.87,2865.6 1972.87,3480.6

## Other copper
Top Layer:
  rectangle net DGND: 3010,2779 3050,2859.45
  rectangle net F_SET: 3351.16,4029.39 3379,4055.82
  rectangle net Q_SET: 3356,3551 3376,3564
  rectangle net Q_SET: 3371,3540 3380,3577
  region net -5: 4225,3932 4225,3922 4240,3922 4240,3932
  region net +5: 4224,3678 4224,3667 4239,3667 4239,3678
  region net -5: 4234,4061 4234,3918 4339,3918 4339,4061
  region net +5: 4233,3680 4233,3544 4339,3544 4339,3680
Bottom Layer:
  rectangle net DGND: 3021,4258 3064.81,4310
  rectangle net DGND: 3021,4245.79 3070.5,4262.5

## Silkscreen, mask and mechanical layers (free items; w line width, h text height)
Top Overlay:
  lines w10: 2149,3242 2249,3242 2249,3142 ; 4117,3901 4137,3881 ; 4117,3902 4137,3922 ; 4122,3681 4142,3701 ; 4122,3722 4142,3702 ; 4325,4223 4345,4203 ; 4326,3407 4346,3387 ; 4346,4203 4366,4223 ; 4347,3387 4367,3407
  lines w30: 2522,4577 2567,4577
  text "FS" at 2381,3352 h60
  text "CLK" at 2146,3350 h60
  text "QS" at 2266,3348 h60
  text "gnd" at 2156,3101 h60
  text "QP" at 2263,3100 h60
  text "FP" at 2380,3099 h60
Bottom Overlay:
  drawing of 993 lines, arcs and shapes, not listed
Top Solder:
  text "MAX268_V1.1" at 3513,2848 h140
Bottom Solder:
  text "Designed By" at 2631,2868 h75
  text "NoFelReg" at 2556,2802 h90
Mechanical 1:
  lines w10: 1975,2887.67 ccw(c2087.67,2887.67) 2087.67,2775 4412.53,2775 ccw(c4412.53,2888.47) 4526,2888.47 4526,4694.01 ccw(c4422.01,4694.01) 4422.01,4798 2169,4798 2066.53,4798 ccw(c2066.53,4706.47) 1975,4706.47 1975,2887.67